# Altium PCB TT1-1A-BASIS.PcbDoc (continued)
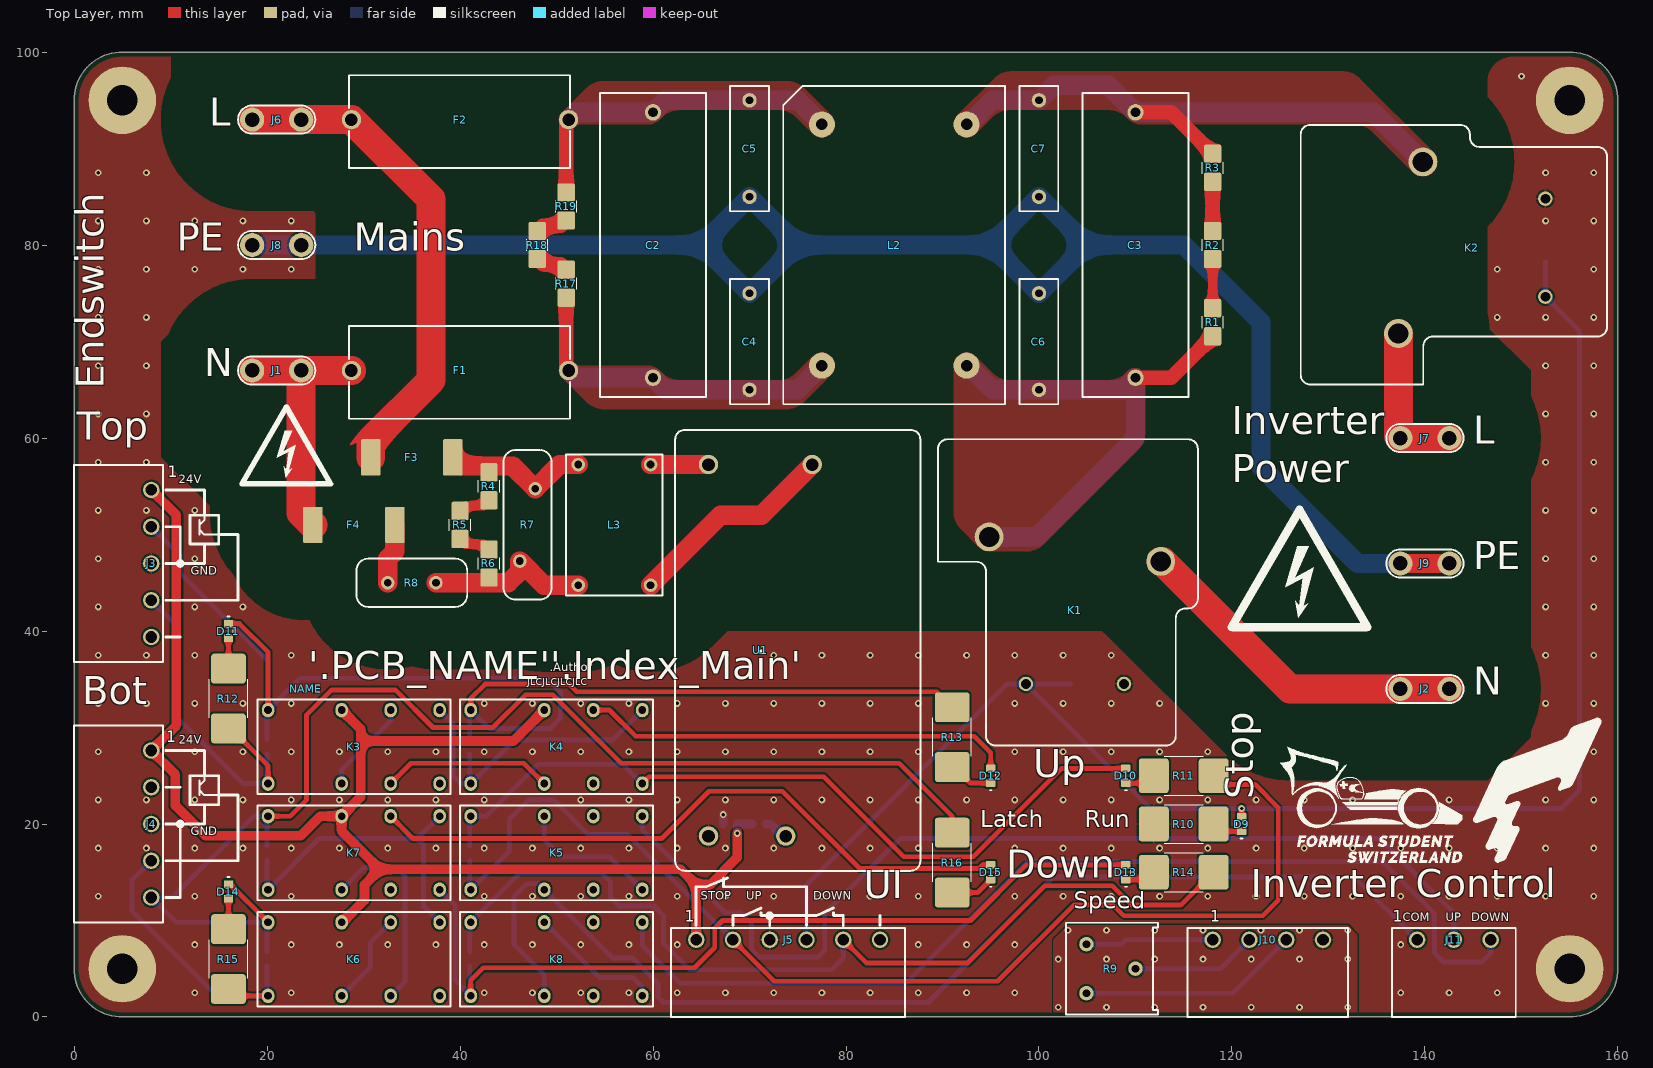
[diagram p0: Top Layer view]
## Part data (continued)
J1 J2 J6 J7 J8 J9: library part Tab_025_THT, "CONN QC TAB 0.250 SOLDER", Manufacturer=GENERIC, Manufacturer 1="TE Connectivity AMP Connectors", Manufacturer 3="TE Connectivity", Manufacturer Part Number 1=1217861-1, Supplier Part Number 1=A100452CT-ND, HelpURL=https://www.te.com/usa-en/product-1217861-1.datasheet.pdf, Manufacturer Part Number 3=1217861-1, Part Number=Tab_025_THT, Supplier 1=Digi-Key, Supplier 3=LCSC, Supplier Part Number 3=C428480
J3 J4: "Phoenix contact MC 1,5/ 5-G-3,81", Manufacturer=Phoenix, Manufacturer Part Number 1=1803303, Supplier Part Number 1=277-1209-ND, HelpURL=https://www.phoenixcontact.com/en-us/products/pcb-header-mc-15-5-g-381-1803303?type=pdf, Manufacturer 1=Phoenix, Part Number=MC1.5/5-G-3.81, Supplier 1=Digi-Key
J5: "Phoenix contact MC 1,5/ 6-G-3,81", Manufacturer=Phoenix, Manufacturer Part Number 1=1803316, Supplier Part Number 1=277-1210-ND, HelpURL=https://www.phoenixcontact.com/en-us/products/pcb-header-mc-15-6-g-381-1803316?type=pdf, Manufacturer 1=Phoenix, Part Number=MC1.5/6-G-3.81, Supplier 1=Digi-Key
J10: "Phoenix contact MC 1,5/ 4-G-3,81", Manufacturer=Phoenix, Manufacturer Part Number 1=1803293, Supplier Part Number 1=277-1208-ND, HelpURL=https://www.phoenixcontact.com/en-us/products/pcb-header-mc-15-4-g-381-1803293?type=pdf, Manufacturer 1=Phoenix, Part Number=MC1.5/4-G-3.81, Supplier 1=Digi-Key
J11: "Phoenix contact MC 1,5/ 3-G-3,81", Manufacturer=Phoenix, Manufacturer Part Number 1=1803280, Supplier Part Number 1=277-1207-ND, HelpURL=https://www.phoenixcontact.com/en-us/products/pcb-header-mc-15-3-g-381-1803280?type=pdf, Manufacturer 1=Phoenix, Part Number=MC1.5/3-G-3.81, Supplier 1=Digi-Key
K1 K2: "Miniature Power Relay, SPST-NO, 24V Coil, 40A 30VDC 300VAC", Manufacturer=Zettler, Manufacturer 1="American Zettler", Manufacturer Part Number 1=AZ2150-1A-24DEF, Supplier Part Number 1=3385-AZ2150-1A-24DEF-ND, HelpURL=https://www.azettler.com/pdfs/az2150.pdf, Part Number=AZ2150-1A-24, Supplier 1=Digi-Key
K3 K4 K5 K6 K7 K8: "Subminiature DIP Relay, DPDT, 24V 98mW Coil, 2A 220VDC 250VAC", Manufacturer=Zettler, Manufacturer 1="American Zettler", Manufacturer Part Number 1=AZ822-2C-24DE, Supplier Part Number 1=3385-AZ822-2C-24DE-ND, HelpURL=https://www.azettler.com/pdfs/az822.pdf, Part Number=AZ822-2C-24, Supplier 1=Digi-Key
L1: "30R@100MHz 5A 0603 Ferrite", Absolute Value=1000, Manufacturer=GENERIC, Manufacturer 1="Laird-Signal Integrity Products", Manufacturer Part Number 1=HI0603R300R-10, Package=603, Supplier Part Number 1=240-HI0603R300R-10CT-ND, HelpURL=https://www.laird.com/document/datasheet/hi0603r300r-10-datasheet, Part Number=30R/0603/FERRITE, Supplier 1=Digi-Key
L2: "CMC 30mH 5A Würth CMBNC 7448050530", Absolute Value=0.03, Manufacturer=Würth, Manufacturer 1="Würth Elektronik", Manufacturer Part Number 1=7448050530, Package=CMBNC, Supplier Part Number 1=732-5596-ND, HelpURL=https://www.we-online.com/components/products/datasheet/7448050530.pdf, Part Number=30MH/THT/CMC, Supplier 1=Digi-Key
L3: "CMC 1mH 2A THT Schurter DFKH-14-0003", Manufacturer=SCHURTER, Manufacturer 1="SCHURTER Inc.", Manufacturer Part Number 1=DFKH-14-0003, Package=15X10.5mm, Supplier Part Number 1=486-3121-ND, HelpURL=https://www.schurter.com/en/datasheet/typ_DFKH.pdf, Part Number=1MH/THT/CMC, Supplier 1=Digi-Key
R1 R2 R3 R4 R5 R6 R17 R18 R19: "RES SM 1206 330K", Absolute Value=330000, Manufacturer=GENERIC, Manufacturer 1=YAGEO, Manufacturer Part Number 1=RC1206FR-07330KL, Package=1206, Supplier Part Number 1=311-330KFRCT-ND, HelpURL=https://www.yageo.com/upload/media/product/products/datasheet/rchip/PYu-RC_Group_51_RoHS_L_12.pdf, Part Number=330K/1206, Supplier 1=Digi-Key
R7: "VARISTOR 391V 6kA", Absolute Value=391, Manufacturer=GENERIC, Manufacturer 1="Panasonic Electronic Components", Package=7.5mm, Supplier Part Number 1=P7266-ND, HelpURL=https://industrial.panasonic.com/cdbs/www-data/pdf/AWA0000/AWA0000C1.pdf, Manufacturer Part Number 1=ERZ-V14D391, Part Number=ERZ-V14D391, Supplier 1=Digi-Key
R8: "RES NTC THT 5 25R", Absolute Value=25, Manufacturer=GENERIC, Manufacturer 1="EPCOS - TDK Electronics", Manufacturer Part Number 1=B57236S0250M000, Package=5mm, Supplier Part Number 1=495-3048-ND, HelpURL=https://product.tdk.com/system/files/dam/doc/product/protection/current/ntc-limiter/data_sheet/50/db/icl_16/s236.pdf, Part Number=25R/THT/NTC, Supplier 1=Digi-Key
R9: "RES POT 3386F 1K", Absolute Value=1000, Manufacturer=Bourns, Manufacturer 1="Bourns Inc.", Manufacturer Part Number 1=3386F-1-102TLF, Package=3386F, Supplier Part Number 1=3386F-1-102TLF-ND, HelpURL=https://www.bourns.com/docs/Product-Datasheets/3386.pdf, Part Number=1K/3386F, Supplier 1=Digi-Key
R10 R11 R12 R13 R14 R15 R16: "RES SM 2512 1K2", Absolute Value=1200, Manufacturer=GENERIC, Manufacturer 1=YAGEO, Manufacturer Part Number 1=RC2512FK-071K2L, Manufacturer Part Number 2=RC2512JK-071K2L, Package=2512, Supplier Part Number 1=13-RC2512FK-071K2LCT-ND, Eurocircuits GPN=GPR25121K2, HelpURL=https://www.yageo.com/upload/media/product/products/datasheet/rchip/PYu-RC_Group_51_RoHS_L_12.pdf, Manufacturer 2=YAGEO, Part Number=1K2/2512, Supplier 1=Digi-Key, Supplier 2=Digi-Key, Supplier Part Number 2=13-RC2512JK-071K2LCT-ND
U1: "10W AC-DC PCB-Mount Green Power Module, 24V", Manufacturer 1="MEAN WELL USA Inc.", Manufacturer Part Number 1=IRM-10-24, Package=Module, Supplier Part Number 1=1866-3030-ND, HelpURL=https://www.meanwell-web.com/content/files/pdfs/productPdfs/MW/IRM-10/IRM-10-spec.pdf, Part Number=IRM10-24, Supplier 1=Digi-Key

## Free pads (board coordinates)
  round 7 hole 3.2: M(5,5) M(5,95) M(155,95) M(155,5)

## Via types
v1: diameter 0.7, hole 0.35, Top Layer to Bottom Layer, tented both sides, 253 vias

## Nets (pads, with @x,y where several pads share a name; then routed paths per layer and width w, separated by ;. In a path a pad name is that pad's centre, name@x,y a point inside that pad or via, vN(x,y) a via of type N, cw(c..) or ccw(c..) an arc to the next point about the centre after c; other vN are vias at no path point)
+24V: C1.1 J3.1 J4.1 J5.1 K3.6 K4.6 K6.6 K7.6 L1.2 | length 152.2
  Top Layer w1: J3.1 10.6,52.02 10.6,30.22 J4.1 10.5,25.12 10.5,21.9 13.6,18.8 23.506,18.8 25.516,20.81 K7.6 ; K6.6 27.81,9.81 30.1,12.1 30.1,13.7 31.7,15.3 ; K3.6 29.7,29.84 29.7,28.6 ; K4.6 45.52,28.6 29.7,28.6 ; J5.1 64.475,13.7 ; v1(68.725,19.025) 68.725,16.525 65.9,13.7 64.475,13.7 ; K7.6 29.7,22.78 29.7,28.6 ; K7.6 27.73,19.27 31.7,15.3 ; 31.7,15.3 62.875,15.3 64.475,13.7
  Bottom Layer w0.9: v1(68.725,19.025) C1.1 L1.2
+24V_SMPS: L1.1 U1.3 | length 2.5
  Bottom Layer w0.9: L1.1 71.75,19.975 72.227,19.975 73.452,18.75 U1.3
BUTTON_DOWN/: D7.2 J5.5 K8.2 R14.2 | length 97.9
  Top Layer w0.5: J5.5 82.115,5.6 92.6,5.6 100.6,13.6 107.6,13.6 109.6,11.6 114.7,11.6 R14.2
  Bottom Layer w0.5: D7.2 41,9.7 K8.2 46.2,14.9 54.7,14.9 55.6,14 55.6,12.4 56.5,11.5 60.1,11.5 61.1,10.5 61.1,7.6 63.8,4.9 78.5,4.9 79.715,6.115 J5.5
BUTTON_UP/: D5.2 J5.2 K5.1 R11.2 | length 122.5
  Top Layer w0.5: J5.2 72.585,3.7 95.7,3.7 103.6,11.6 107.7,11.6 108.8,10.5 123.2,10.5 124.8,12.1 124.8,21.7 122.4,24.1 119,24.1 R11.2
  Bottom Layer w0.5: D5.2 41,13.3 K5.1 45.1,17.18 45.1,20.5 47.1,22.5 49.7,22.5 53.3,18.9 57.385,18.9 J5.2
CTRL_COM: J11.1 K5.3 K8.3 | length 119.7
  Bottom Layer w0.5: K8.3 48.73,4.37 45.6,7.5 45.6,12.5 46.9,13.8 48.12,13.8 K5.3 55.82,6.1 57.9,6.1 60.5,3.5 60.5,2.1 61.1,1.5 88.5,1.5 101.5,14.5 132.69,14.5 J11.1
CTRL_DOWN: J11.3 K8.8 | length 105.6
  Bottom Layer w0.5: K8.8 58.89,7.41 62.8,3.5 86.2,3.5 98.8,16.1 135.6,16.1 141,10.7 141,6.6 141.9,5.7 145.9,5.7 146.81,6.61 J11.3
CTRL_UP: J11.2 K5.8 | length 105.9
  Bottom Layer w0.5: K5.8 58.89,19.41 67.5,10.8 69.1,10.8 70.19,9.71 70.19,7.01 71,6.2 77.1,6.2 77.8,6.9 77.8,10.7 85.6,18.5 135.3,18.5 143,10.8 J11.2
EMERGENCY_STOP/: D3.1 D4.1 D9.2 J5.4 K1.1 K2.1 | length 162.2
  Top Layer w0.5: D9.2 v1(121,21.6)
  Bottom Layer w0.5: J5.4 75.905,13.705 96.715,34.515 K1.1 K1.1@98.663,34.5 ; D3.1 K1.1@98.663,34.5 ; D4.1 152.5,74.663 K2.1 156,71.133 156,23.5 154.1,21.6 v1(121,21.6) 111.563,21.6 K1.1@98.663,34.5
ENDSWITCH_BOTTOM: D2.1 J4.4 K6.1 R15.1 | length 31.3
  Top Layer w0.5: R15.1 16.71,2.19 K6.1
  Bottom Layer w0.5: J4.4 6,14.19 6,11 14.81,2.19 K6.1 20,2.3 D2.1
ENDSWITCH_TOP: D1.1 J3.4 K3.1 R12.1 | length 36.1
  Top Layer w0.5: R12.1 16.25,29.9 20.11,26.04 K3.1
  Bottom Layer w0.5: J3.4 10.5,40.69 10.5,31.2 17.51,24.19 K3.1 ; K3.1@20,24.3 D1.1
GND: C1.2 C4.2 C5.2 C6.2 C7.2 D3.2 D4.2 J3.3 J4.3 J5.3 J8.1 J9.1 K1.2 K2.2 pad.M R10.2 U1.4 | length 189.2
  Top Layer w2: J9.1@137.46,47 J9.1@142.54,47
  Bottom Layer w0.9: C1.2 v1(67.275,20.975)
  Bottom Layer w2: J8.1@18.46,80 23.54,80 65,80 ; J9.1@142.54,47 137.46,47 133,47 123,57 123,72 115,80 105,80 ; 65,80 C4.2 75,80 ; 65,80 C5.2 75,80 ; 75,80 95,80 ; 95,80 C7.2 105,80 ; 95,80 C6.2 105,80
  other v1: 12.5,2.5 22.5,2.5 42.5,2.5 47.5,2.5 52.5,2.5 57.5,2.5 62.5,2.5 67.5,2.5 72.5,2.5 77.5,2.5 82.5,2.5 87.5,2.5 92.5,2.5 97.5,2.5 137.5,2.5 142.5,2.5 147.5,2.5 12.5,7.5 22.5,7.5 27.5,7.5 32.5,7.5 37.5,7.5 42.5,7.5 47.5,7.5 52.5,7.5 57.5,7.5 62.5,7.5 87.5,7.5 92.5,7.5 97.5,7.5 137.5,7.5 2.5,12.5 12.5,12.5 22.5,12.5 42.5,12.5 47.5,12.5 52.5,12.5 57.5,12.5 62.5,12.5 67.5,12.5 72.5,12.5 77.5,12.5 82.5,12.5 87.5,12.5 97.5,12.5 102.5,12.5 107.5,12.5 112.5,12.5 117.5,12.5 122.5,12.5 127.5,12.5 132.5,12.5 137.5,12.5 142.5,12.5 147.5,12.5 152.5,12.5 157.5,12.5 2.5,17.5 7.5,17.5 12.5,17.5 17.5,17.5 22.5,17.5 27.5,17.5 32.5,17.5 37.5,17.5 42.5,17.5 47.5,17.5 52.5,17.5 57.5,17.5 62.5,17.5 67.5,17.5 72.5,17.5 77.5,17.5 82.5,17.5 87.5,17.5 97.5,17.5 102.5,17.5 107.5,17.5 112.5,17.5 117.5,17.5 122.5,17.5 127.5,17.5 132.5,17.5 137.5,17.5 142.5,17.5 147.5,17.5 152.5,17.5 157.5,17.5 2.5,22.5 7.5,22.5 12.5,22.5 17.5,22.5 22.5,22.5 27.5,22.5 32.5,22.5 37.5,22.5 42.5,22.5 52.5,22.5 57.5,22.5 62.5,22.5 67.5,22.5 72.5,22.5 77.5,22.5 82.5,22.5 87.5,22.5 92.5,22.5 97.5,22.5 102.5,22.5 107.5,22.5 112.5,22.5 117.5,22.5 122.5,22.5 127.5,22.5 132.5,22.5 137.5,22.5 142.5,22.5 147.5,22.5 152.5,22.5 157.5,22.5 2.5,27.5 12.5,27.5 17.5,27.5 22.5,27.5 27.5,27.5 32.5,27.5 37.5,27.5 42.5,27.5 47.5,27.5 52.5,27.5 57.5,27.5 62.5,27.5 67.5,27.5 72.5,27.5 77.5,27.5 82.5,27.5 87.5,27.5 97.5,27.5 102.5,27.5 107.5,27.5 112.5,27.5 117.5,27.5 152.5,27.5 157.5,27.5 2.5,32.5 7.5,32.5 12.5,32.5 17.5,32.5 22.5,32.5 42.5,32.5 47.5,32.5 52.5,32.5 57.5,32.5 62.5,32.5 67.5,32.5 72.5,32.5 77.5,32.5 82.5,32.5 87.5,32.5 97.5,32.5 102.5,32.5 107.5,32.5 112.5,32.5 152.5,32.5 157.5,32.5 2.5,37.5 7.5,37.5 12.5,37.5 22.5,37.5 67.5,37.5 72.5,37.5 77.5,37.5 82.5,37.5 87.5,37.5 92.5,37.5 97.5,37.5 102.5,37.5 107.5,37.5 152.5,37.5 157.5,37.5 2.5,42.5 12.5,42.5 17.5,42.5 152.5,42.5 157.5,42.5 2.5,47.5 12.5,47.5 152.5,47.5 157.5,47.5 2.5,52.5 7.5,52.5 12.5,52.5 152.5,52.5 157.5,52.5 2.5,57.5 7.5,57.5 152.5,57.5 157.5,57.5 2.5,62.5 7.5,62.5 152.5,62.5 157.5,62.5 2.5,67.5 7.5,67.5 152.5,67.5 157.5,67.5 2.5,72.5 7.5,72.5 147.5,72.5 152.5,72.5 157.5,72.5 2.5,77.5 7.5,77.5 12.5,77.5 17.5,77.5 22.5,77.5 147.5,77.5 157.5,77.5 2.5,82.5 7.5,82.5 12.5,82.5 17.5,82.5 22.5,82.5 152.5,82.5 157.5,82.5 2.5,87.5 7.5,87.5 152.5,87.5 157.5,87.5 150,97.5
L: F1.1 F4.1 J1.1 | length 37.1
  Top Layer w3: J1.1@18.46,67 J1.1@23.54,67 ; F4.1 23.54,52.21 J1.1@23.54,67 ; F1.1 J1.1@23.54,67
  Bottom Layer w3: J1.1@18.46,67 23.54,67 F1.1
L_INV: J2.1 K1.3 | length 75.9
  Top Layer w3: K1.3 112.785,47.215 126,34 J2.1@137.46,34 ; J2.1@137.46,34 142.54,34 J2.1@137.46,34
  Bottom Layer w3: K1.3 112.785,47.215 126,34 137.46,34 J2.1@142.54,34
L_INV_CMC: C3.1 C6.1 K1.4 L2.4 R1.1 | length 54.5
  Top Layer w1.5: C3.1 113.7,66.25 R1.1
  Bottom Layer w2: L2.4 92.689,67.5 95.189,65 C6.1 108.75,65 C3.1 110,60 99.755,49.755 K1.4
L_INV_F: C2.1 C4.1 F1.2 L2.2 R17.1 | length 35.8
  Top Layer w1.5: R17.1 51,67.25 F1.2
  Bottom Layer w2: F1.2 52,66.25 C2.1 61.25,65 C4.1 75,65 L2.2
L_SMPS: L3.4 U1.2 | length 43.9
  Top Layer w2: L3.4 67,52 71.25,52 U1.2
  Bottom Layer w2: L3.4 67,52 71.25,52 U1.2
L_SMPS_F: F4.2 R8.1 | length 6.3
  Top Layer w2: R8.1 32.5,47.5 33.25,48.25 F4.2
L_SMPS_R: L3.2 R6.2 R7.2 R8.2 | length 17.3
  Top Layer w2: R8.2 45,45 46.2,46.2 R7.2 48.7,44.75 L3.2
LN_1: R17.2 R18.1 | length 3.5
  Top Layer w1.5: R18.1 48.55,78 50.45,78 R17.2
LN_2: R18.2 R19.1 | length 3.5
  Top Layer w1.5: R18.2 48.55,82 50.45,82 R19.1
LN_INV_1: R1.2 R2.1 | length 5.1
  Top Layer w1: R1.2 R2.1
LN_INV_2: R2.2 R3.1 | length 5.1
  Top Layer w1.5: R2.2 R3.1
LN_SMPS_1: R4.2 R5.2 | length 3.5
  Top Layer w1: R5.2 40.55,53 42.45,53 R4.2
LN_SMPS_2: R5.1 R6.1 | length 3.5
  Top Layer w1: R5.1 40.55,49 42.45,49 R6.1
N: F2.1 F3.1 J6.1 | length 61.6
  Top Layer w3: J6.1@18.46,93 23.54,93 F2.1 37,84.75 37,66 30.75,59.75 F3.1
  Bottom Layer w3: J6.1@18.46,93 23.54,93 F2.1
N_INV: J7.1 K2.4 | length 32
  Top Layer w3: K2.4 137.245,60.215 137.46,60 J7.1@142.54,60
  Bottom Layer w3: K2.4 137.245,60.215 137.46,60 J7.1@142.54,60
N_INV_CMC: C3.2 C7.1 K2.3 L2.3 R3.2 | length 62
  Top Layer w1.5: C3.2 113.7,93.75 R3.2
  Bottom Layer w2: L2.3 92.689,92.5 95.189,95 C7.1 101.547,96.547 107.203,96.547 C3.2 134.653,93.75 K2.3
N_INV_F: C2.2 C5.1 F2.2 L2.1 R19.2 | length 35.8
  Top Layer w1.5: R19.2 51,92.75 F2.2
  Bottom Layer w2: F2.2 52,93.75 C2.2 61.25,95 C5.1 75,95 L2.1
N_SMPS: L3.3 U1.1 | length 12
  Top Layer w2: L3.3 U1.1
  Bottom Layer w2: L3.3 U1.1
N_SMPS_F: F3.2 L3.1 R4.1 R7.1 | length 15.4
  Top Layer w2: F3.2 40.15,57.1 45.45,57.1 R7.1 50.3,57.25 L3.1
NetD1_2: D1.2 D6.2 D11.1 J3.2 K3.2 K4.2 R13.2 | length 139.8
  Top Layer w0.5: D11.1 17.138,40.762 20.11,37.79 K3.2 ; K4.2 41.11,33.01 42.6,34.5 51.3,34.5 52.1,33.7 89.4,33.7 R13.2
  Bottom Layer w0.5: J3.2 11,47.81 11,46 20.11,36.89 K3.2 ; D1.2 20,31.7 K3.2 ; D6.2 41,31.7 K4.2 43.02,29.9 49.338,29.9 50.4,30.962 50.4,33.7 49,35.1 23.4,35.1 K3.2
NetD2_2: D2.2 D8.2 D14.1 J4.5 K6.2 K7.2 R16.2 | length 132.2
  Top Layer w0.5: D14.1 16.158,13.762 K6.2 ; K7.2 22.41,20.81 24.1,22.5 24.1,31.3 26.7,33.9 33.3,33.9 37.2,30 43.4,30 46.8,33.4 49.6,33.4 56.7,26.3 85.5,26.3 91,20.8 R16.2
  Bottom Layer w0.5: D2.2 20,9.7 K6.2 10.57,9.81 J4.5 10.18,12.38 18.61,20.81 K7.2 20,20.7 D8.2
NetD5_1: D5.1 D10.2 K4.5 K5.2 | length 81.6
  Top Layer w0.5: K4.5 59.6,24.9 77.7,24.9 86,16.6 93.2,16.6 102.362,25.762 D10.2
  Bottom Layer w0.5: D5.1 41,20.7 K5.2 42.71,20.81 48.1,26.2 56.88,26.2 K4.5
NetD6_1: D6.1 K3.8 K4.1 K4.8 | length 33.5
  Bottom Layer w0.5: K3.8 39.3,30.4 39.3,25 40.11,24.19 K4.1 45.62,28.7 55.78,28.7 K4.8 ; K4.1@41,24.3 D6.1
NetD7_1: D7.1 D13.2 K7.5 K8.1 | length 90.9
  Top Layer w0.5: K8.1 41.11,3.81 42.4,5.1 64.3,5.1 66.4,7.2 66.4,9.2 67.2,10 92.9,10 98.662,15.762 D13.2
  Bottom Layer w0.5: K7.5 39.5,11.58 39.5,3.8 K8.1@41,2.3 ; D7.1 K8.1@41,2.3 ; K8.1 K8.1@41,2.3
NetD8_1: D8.1 K6.8 K7.1 K7.8 | length 33.7
  Bottom Layer w0.5: D8.1 20,13.3 K7.1 25.42,18.5 35.58,18.5 ; K6.8 36.2,11.5 36.2,17.88 35.58,18.5 ; K7.8 35.58,18.5
NetD9_1: D9.1 R10.1 | length 3.2
  Top Layer w0.5: R10.1 118.862,19.238 D9.1
NetD10_1: D10.1 R11.1 | length 3.2
  Top Layer w0.5: D10.1 111.138,24.238 R11.1
NetD11_2: D11.2 R12.2 | length 3.1
  Top Layer w0.5: R12.2 D11.2
NetD12_1: D12.1 R13.1 | length 4.7
  Top Layer w0.5: R13.1 91.25,25.9 92.912,24.238 D12.1
NetD12_2: D12.2 K4.7 | length 44.7
  Top Layer w0.5: K4.7 55.49,31.81 58.2,29.1 93.3,29.1 95,27.4 D12.2
NetD13_1: D13.1 R14.1 | length 3.2
  Top Layer w0.5: D13.1 111.138,14.238 R14.1
NetD14_2: D14.2 R15.2 | length 3.1
  Top Layer w0.5: R15.2 D14.2
NetD15_1: D15.1 R16.1 | length 4.6
  Top Layer w0.5: R16.1 93.662,12.9 D15.1
NetD15_2: D15.2 K7.7 | length 68.6
  Top Layer w0.5: K7.7 35.12,18.5 60.9,18.5 65.8,23.4 73.4,23.4 81.4,15.4 93.8,15.4 94.162,15.762 D15.2
NetJ10_1: J10.1 R9.2 | length 13.3
  Bottom Layer w0.5: R9.2 108.54,7.54 109,8 J10.1
NetJ10_2: J10.2 R9.3 | length 13.1
  Bottom Layer w0.5: R9.3 118.81,5 J10.2
NetJ10_3: J10.3 R9.1 | length 23
  Bottom Layer w0.5: R9.1 120.08,2.46 J10.3
NetK3_3: K3.3 K3.7 | length 9.7
  Bottom Layer w0.5: K3.3 27.73,25.63 32.81,30.71 K3.7
NetK3_4: K3.4 K4.3 | length 17.7
  Top Layer w0.5: K3.4 34.92,26.3 46.62,26.3 K4.3
NetK5_5: K5.5 K5.6 | length 14.7
  Bottom Layer w0.5: K5.6 48.73,18.37 50.5,16.6 55.48,16.6 K5.5
NetK6_3: K6.3 K6.7 | length 9.7
  Bottom Layer w0.5: K6.3 30.7,5.16 30.7,7.7 K6.7
NetK6_4: K6.4 K7.3 | length 20.9
  Bottom Layer w0.5: K7.3 30.04,15.5 33.4,15.5 34.3,14.6 34.3,3.68 K6.4
NetK8_5: K8.5 K8.6 | length 13.9
  Bottom Layer w0.5: K8.6 54.44,4.1 57.9,4.1 58.89,3.11 K8.5
SHIELD: J10.4
  other v1: 102,1 107,1 112,1 117,1 122,1 127,1 132,1 102,6 107,6 112,6 117,6 122,6 127,6 132,6 103,9 107,9 112,9 117,9 123,9 127,9 132,9
pads on no net: J3.5 J4.2 J5.6 K3.5 K4.4 K5.4 K5.7 K6.5 K7.4 K8.4 K8.7

## Polygon pours and split planes (outlines as drawn)
GND on Bottom Layer "GND_L02_P010" (solid, remove dead copper, pour order 10): 25,87 14,87 10,91 10,99.5 5,99.5 ccw(c5,95) 0.5,95 0.5,5 ccw(c5,5) 5,0.5 155,0.5 ccw(c155,5) 159.5,5 159.5,95 ccw(c155,95) 155,99.5 149.04,99.5 ccw(c149.04,96.96) 146.5,96.96 146.5,71.5 151,67 151,29 146.5,24.5 126.5,24.5 111,40 67,40 64,37 30,37 9,58 9,70 12,73 25,73
N_INV_CMC on Bottom Layer "N_INV_CMC_L02_P020" (solid, remove dead copper, pour order 20): 91.545,93.455 ccw(c92.5,92.5) 91.15,92.5 ccw(c92.5,92.5) 91.545,91.545 ccw(c92.5,92.5) 92.5,91.15 ccw(c92.5,92.5) 93.455,91.545 95.165,93.256 cw(c96.961,91.46) 96.961,94 107.248,94 cw(c107.248,91.46) 109.044,93.256 109.2,93.1 ccw(c110.649,94.549) 110.649,92.5 132.73,92.5 cw(c132.73,89.96) 134.526,91.756 138.724,87.557 ccw(c139.785,88.618) 139.785,87.118 ccw(c139.785,88.618) 140.846,87.557 ccw(c139.785,88.618) 141.285,88.618 ccw(c139.785,88.618) 140.846,89.679 133.268,97.256 ccw(c131.472,95.46) 131.472,98 97.143,98 ccw(c97.143,95.46) 95.347,97.256
L_INV_F on Bottom Layer "L_INV_F_L02_P019" (solid, remove dead copper, pour order 19): 50.25,67 cw(c51.25,67) 50.543,67.707 cw(c51.25,67) 51.25,68 cw(c51.25,67) 51.957,67.707 ccw(c52.457,68.207) 52.457,67.5 59.493,67.5 cw(c59.493,65.793) 60.7,67 60.956,66.744 ccw(c62.752,68.54) 62.752,66 73.039,66 ccw(c73.039,68.54) 74.835,66.744 76.545,68.455 cw(c77.5,67.5) 77.5,68.85 cw(c77.5,67.5) 78.455,68.455 cw(c77.5,67.5) 78.85,67.5 cw(c77.5,67.5) 78.455,66.545 75.653,63.744 cw(c73.857,65.54) 73.857,63 54.888,63 cw(c54.888,65.54) 53.092,63.744 50.543,66.293 cw(c51.25,67) 50.25,67
N_INV_F on Bottom Layer "N_INV_F_L02_P018" (solid, remove dead copper, pour order 18): 50.25,93 ccw(c51.25,93) 50.543,92.293 ccw(c51.25,93) 51.25,92 ccw(c51.25,93) 51.957,92.293 cw(c52.457,91.793) 52.457,92.5 59.493,92.5 ccw(c59.493,94.207) 60.7,93 60.956,93.256 cw(c62.752,91.46) 62.752,94 73.039,94 cw(c73.039,91.46) 74.835,93.256 76.545,91.545 ccw(c77.5,92.5) 77.5,91.15 ccw(c77.5,92.5) 78.455,91.545 ccw(c77.5,92.5) 78.85,92.5 ccw(c77.5,92.5) 78.455,93.455 75.653,96.256 ccw(c73.857,94.46) 73.857,97 54.888,97 ccw(c54.888,94.46) 53.092,96.256 50.543,93.707 ccw(c51.25,93) 50.25,93
no net on Bottom Layer "NONET_L02_P017" (solid, remove dead copper, pour order 17): 50.25,66.8 cw(c51.25,66.8) 50.543,67.507 cw(c51.25,66.8) 51.25,67.8 cw(c51.25,66.8) 51.957,67.507 ccw(c52.578,68.128) 52.578,67.25 60,67.25 cw(c60,66.043) 60.854,66.896 61.006,66.744 ccw(c62.802,68.54) 62.802,66 73.039,66 ccw(c73.039,68.54) 74.835,66.744 76.545,68.455 cw(c77.5,67.5) 77.5,68.85 cw(c77.5,67.5) 78.455,68.455 cw(c77.5,67.5) 78.85,67.5 cw(c77.5,67.5) 78.455,66.545 76.153,64.244 cw(c74.357,66.04) 74.357,63.5 54.188,63.5 cw(c54.188,66.04) 52.392,64.244 50.543,66.093 cw(c51.25,66.8) 50.25,66.8
GND on Bottom Layer "GND_L02_P009" (solid, remove dead copper, pour order 9): 16,87 16,73 112,73 119,66 119,53 129,43 144,43 146,45 146,49 144,51 137,51 128,60 128,80 121,87
L_INV_CMC on Bottom Layer "L_INV_CMC_L02_P016" (solid, remove dead copper, pour order 16): 92.5,68.85 cw(c92.5,67.5) 93.455,68.455 95.165,66.744 ccw(c96.961,68.54) 96.961,66 107.198,66 ccw(c107.198,68.54) 108.994,66.744 109.25,67 cw(c109.854,66.396) 109.854,67.25 110,67.25 cw(c110,66.25) 111,66.25 111,60.552 cw(c108.46,60.552) 110.256,58.756 100.499,48.999 cw(c98.703,50.795) 98.703,48.255 94.838,48.255 cw(c94.838,49.755) 93.777,48.694 91.894,50.578 cw(c93.69,52.374) 91.15,52.374 91.15,67.5 cw(c92.5,67.5) 91.545,68.455 cw(c92.5,67.5)
SHIELD on Bottom Layer "SHIELD_L02_P008" (solid, remove dead copper, pour order 8): 101.5,0.5 101.5,8 103,9.5 132,9.5 133,8.5 133,0.5
GND on Top Layer "GND_L01_P007" (solid, remove dead copper, pour order 7): 25,87 14,87 10,91 10,99.5 5,99.5 ccw(c5,95) 0.5,95 0.5,5 ccw(c5,5) 5,0.5 155,0.5 ccw(c155,5) 159.5,5 159.5,95 ccw(c155,95) 155,99.5 149.04,99.5 ccw(c149.04,96.96) 146.5,96.96 146.5,71.5 151,67 151,29 146.5,24.5 126.5,24.5 111,40 67,40 64,37 30,37 9,58 9,70 12,73 25,73
N_INV_CMC on Top Layer "N_INV_CMC_L01_P024" (solid, remove dead copper, pour order 24): 91.545,93.455 ccw(c92.5,92.5) 91.15,92.5 ccw(c92.5,92.5) 91.545,91.545 ccw(c92.5,92.5) 92.5,91.15 ccw(c92.5,92.5) 93.455,91.545 95.165,93.256 cw(c96.961,91.46) 96.961,94 107.248,94 cw(c107.248,91.46) 109.044,93.256 109.2,93.1 ccw(c110.649,94.549) 110.649,92.5 132.73,92.5 cw(c132.73,89.96) 134.526,91.756 138.724,87.557 ccw(c139.785,88.618) 139.785,87.118 ccw(c139.785,88.618) 140.846,87.557 ccw(c139.785,88.618) 141.285,88.618 ccw(c139.785,88.618) 140.846,89.679 133.268,97.256 ccw(c131.472,95.46) 131.472,98 97.143,98 ccw(c97.143,95.46) 95.347,97.256
L_INV_F on Top Layer "L_INV_F_L01_P023" (solid, remove dead copper, pour order 23): 50.25,67 cw(c51.25,67) 50.543,67.707 cw(c51.25,67) 51.25,68 cw(c51.25,67) 51.957,67.707 ccw(c52.457,68.207) 52.457,67.5 59.493,67.5 cw(c59.493,65.793) 60.7,67 60.956,66.744 ccw(c62.752,68.54) 62.752,66 73.039,66 ccw(c73.039,68.54) 74.835,66.744 76.545,68.455 cw(c77.5,67.5) 77.5,68.85 cw(c77.5,67.5) 78.455,68.455 cw(c77.5,67.5) 78.85,67.5 cw(c77.5,67.5) 78.455,66.545 75.653,63.744 cw(c73.857,65.54) 73.857,63 54.888,63 cw(c54.888,65.54) 53.092,63.744 50.543,66.293 cw(c51.25,67) 50.25,67
N_INV_F on Top Layer "N_INV_F_L01_P022" (solid, remove dead copper, pour order 22): 50.25,93 ccw(c51.25,93) 50.543,92.293 ccw(c51.25,93) 51.25,92 ccw(c51.25,93) 51.957,92.293 cw(c52.457,91.793) 52.457,92.5 59.493,92.5 ccw(c59.493,94.207) 60.7,93 60.956,93.256 cw(c62.752,91.46) 62.752,94 73.039,94 cw(c73.039,91.46) 74.835,93.256 76.545,91.545 ccw(c77.5,92.5) 77.5,91.15 ccw(c77.5,92.5) 78.455,91.545 ccw(c77.5,92.5) 78.85,92.5 ccw(c77.5,92.5) 78.455,93.455 75.653,96.256 ccw(c73.857,94.46) 73.857,97 54.888,97 ccw(c54.888,94.46) 53.092,96.256 50.543,93.707 ccw(c51.25,93) 50.25,93
L_INV_CMC on Top Layer "L_INV_CMC_L01_P021" (solid, remove dead copper, pour order 21): 92.5,68.85 cw(c92.5,67.5) 93.455,68.455 95.165,66.744 ccw(c96.961,68.54) 96.961,66 107.198,66 ccw(c107.198,68.54) 108.994,66.744 109.25,67 cw(c109.854,66.396) 109.854,67.25 110,67.25 cw(c110,66.25) 111,66.25 111,60.552 cw(c108.46,60.552) 110.256,58.756 100.499,48.999 cw(c98.703,50.795) 98.703,48.255 94.838,48.255 cw(c94.838,49.755) 93.777,48.694 91.894,50.578 cw(c93.69,52.374) 91.15,52.374 91.15,67.5 cw(c92.5,67.5) 91.545,68.455 cw(c92.5,67.5)
SHIELD on Top Layer "SHIELD_L01_P006" (solid, remove dead copper, pour order 6): 101.5,0.5 101.5,8 103,9.5 132,9.5 133,8.5 133,0.5

## Silkscreen, mask and mechanical layers (free items; w line width, h text height)
Top Overlay:
  drawing of 137 lines, arcs and shapes, not listed
  text "L" at 13.996,91.399 h5
  text "Mains" at 29,78.424 h5
  text "PE" at 10.618,78.399 h5
  text "N" at 13.478,65.399 h5
  text "Endswitch" at 4.076,65.129 h5 r90
  text "Inverter" at 120,59.424 h5
  text "Top" at 0.286,58.843 h5
  text "L" at 145,58.399 h5
  text "24V" at 10.83,55.018 h1.5
  text "Power" at 120,54.424 h5
  text "GND" at 12.081,45.52 h1.5
  text "PE" at 145,45.399 h5
  text ".Author" at 49.275,35.528 h1.5
  text "N" at 145,32.399 h5
  text "Bot" at 0.825,31.424 h5
  text "24V" at 10.83,28.018 h1.5
  text "Up" at 99.406,23.843 h5
  text "Stop" at 123.185,22.587 h5 r90
  text "Latch" at 93.906,19.055 h3
  text "Run" at 104.736,19.055 h3
  text "GND" at 12.081,18.52 h1.5
  text "Down" at 96.609,13.424 h5
  text "STOP" at 64.934,11.817 h1.5
  text "UP" at 69.651,11.817 h1.5
  text "DOWN" at 76.584,11.817 h1.5
  text "Inverter Control" at 121.939,11.399 h5
  text "UI" at 81.84,11.327 h5
  text "Speed" at 103.577,10.589 h3
  text "COM" at 137.71,9.62 h1.5
  text "UP" at 142.151,9.628 h1.5
  text "DOWN" at 144.794,9.62 h1.5
Bottom Overlay:
  region: 96.687,39.679 ccw(c95.967,39.729) 96.683,39.82 ccw(c95.961,39.728) 96.654,39.952 ccw(c95.953,39.725) 96.62,40.038 ccw(c95.947,39.723) 96.59,40.096 83.634,62.537 ccw(c82.991,62.155) 83.385,62.791 ccw(c82.993,62.16) 83.29,62.841 ccw(c82.996,62.167) 83.217,62.869 ccw(c82.998,62.174) 83.142,62.888 ccw(c83,62.183) 83,62.902 83,60.618 94.682,40.464 71.309,40.464 82.995,60.618 82.999,62.902 ccw(c82.999,62.17) 82.403,62.595 ccw(c83.005,62.166) 82.365,62.537 69.41,40.096 ccw(c70.022,39.733) 69.342,39.94 ccw(c70.025,39.733) 69.313,39.782 ccw(c70.033,39.732) 69.317,39.641 ccw(c70.039,39.733) 69.346,39.509 ccw(c70.046,39.735) 69.38,39.422 ccw(c70.051,39.737) 69.41,39.365 ccw(c70.054,39.747) 69.659,39.111 ccw(c70.052,39.743) 69.755,39.061 ccw(c70.048,39.733) 69.828,39.033 ccw(c70.046,39.728) 69.903,39.014 ccw(c70.045,39.72) 70.045,39 95.955,39 ccw(c95.956,39.732) 96.552,39.306 ccw(c95.951,39.735) 96.59,39.365 ccw(c95.978,39.727) 96.658,39.52 ccw(c95.975,39.728)
  region: 85.736,47.356 83.43,55.205 81.23,55.208 83.891,49.174 80.255,51.176 82.288,43.691 81.309,44.3 83.243,41.507 83.774,44.819 83.085,43.812 82.363,49.095
Board:
  the board outline again, w0.2

## Text inside footprints (layer, text, board x,y; h text height)
J3: Top Overlay "1" at 9.719,55.503 h2; Bottom Overlay "1" at 9.536,53.977 h2
J4: Top Overlay "1" at 9.564,28.057 h2; Bottom Overlay "1" at 9.536,26.977 h2
J5: Top Overlay "1" at 63.264,9.457 h2; Bottom Overlay "1" at 63.811,8.657 h2
J10: Top Overlay "1" at 117.764,9.457 h2; Bottom Overlay "1" at 117.336,8.657 h2
J11: Top Overlay "1" at 136.664,9.457 h2; Bottom Overlay "1" at 138.526,8.657 h2
?: Top Overlay "JLCJLCJLCJLC" at 46.981,34.116 h1.2